# Altium PCB ToucanEyePCB.PcbDoc (part 4 of 5)
Units mil, origin at the board's own origin, x right, y up, seen from the top; angles counter-clockwise.
Board outline 2559.06 x 1181.1 mil, 6 copper layers (L1_Top Layer, L2_GND, L3_Signa1, L4_PWR/Signal2, L5_GND, L6_Bottom Layer), stack 35.685 mil thick; 187 components, 181 nets, 773 pads, 479 vias.
Unrouted connection lines stored in the file: 150.
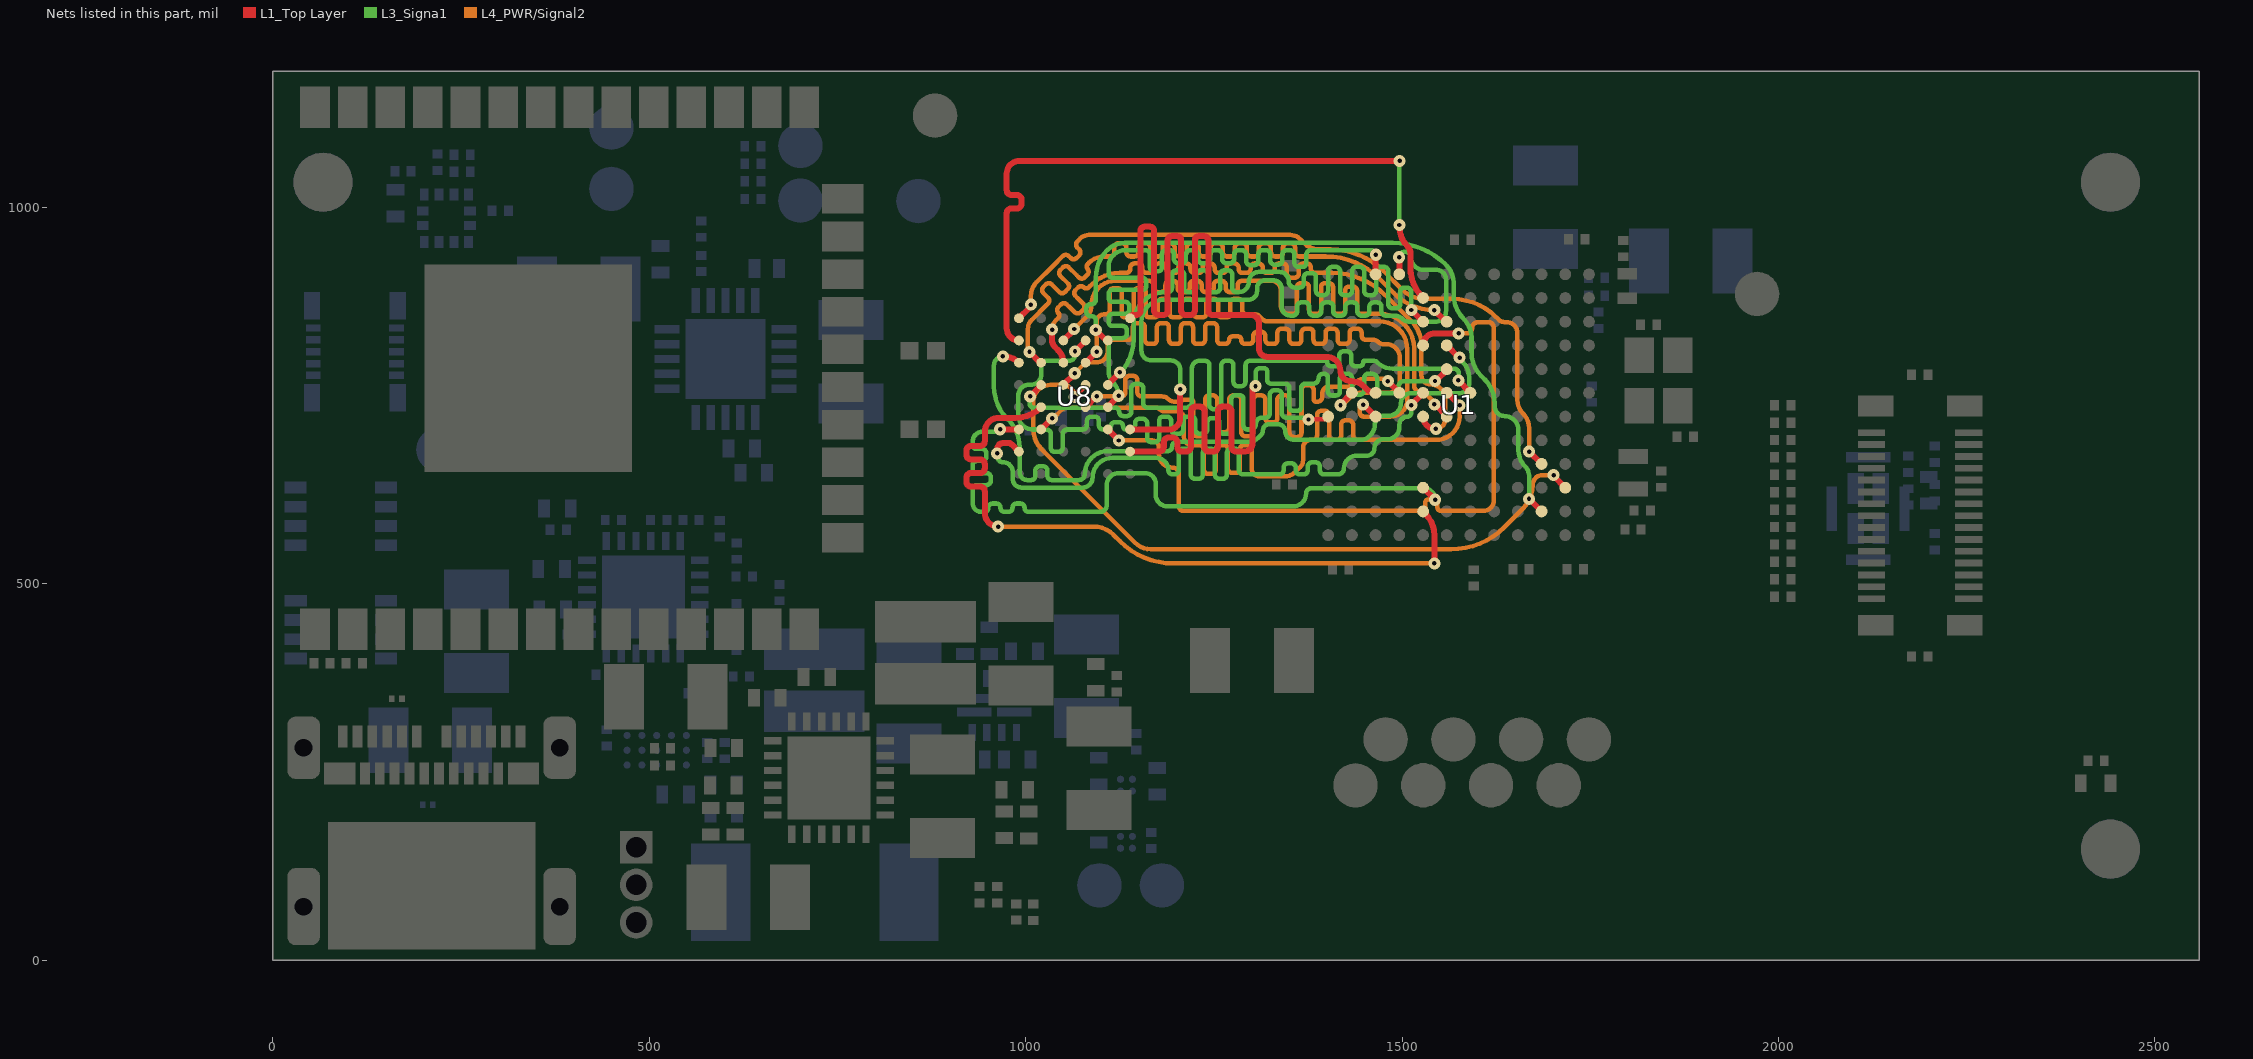
[diagram p8: the nets of this part, all layers, seen from the top]

## Via types
v1: diameter 16, hole 5.91, L5_GND to L6_Bottom Layer, tented both sides, 98 vias
v2: diameter 16, hole 5.91, L1_Top Layer to L2_GND, tented both sides, 93 vias
v3: diameter 16, hole 5.91, L1_Top Layer to L6_Bottom Layer, tented both sides, 72 vias
v4: diameter 16, hole 5.91, L1_Top Layer to L3_Signa1, tented both sides, 60 vias
v5: diameter 16, hole 5.91, L1_Top Layer to L4_PWR/Signal2, tented both sides, 48 vias
v6: diameter 16, hole 5.91, L4_PWR/Signal2 to L6_Bottom Layer, tented both sides, 25 vias
v7: diameter 16, hole 5.91, L3_Signa1 to L6_Bottom Layer, tented both sides, 16 vias
v8: diameter 16, hole 5.91, L2_GND to L6_Bottom Layer, tented both sides, 16 vias
v9: diameter 23.86, hole 7.87, L4_PWR/Signal2 to L6_Bottom Layer, tented both sides, 13 vias
v10: diameter 11.81, hole 11.81, L1_Top Layer to L6_Bottom Layer, 9 vias
v11: diameter 23.86, hole 7.87, L3_Signa1 to L6_Bottom Layer, tented both sides, 7 vias
v12: diameter 23.86, hole 7.87, L1_Top Layer to L3_Signa1, tented both sides, 6 vias
v13: diameter 23.86, hole 7.87, L1_Top Layer to L4_PWR/Signal2, tented both sides, 6 vias
v14: diameter 19.68, hole 7.87, L1_Top Layer to L6_Bottom Layer, 5 vias
v15: diameter 23.86, hole 7.87, L1_Top Layer to L6_Bottom Layer, tented both sides, 4 vias
v16: diameter 16, hole 5.91, L1_Top Layer to L3_Signa1, tented top, 1 vias

## Nets (pads, with @x,y where several pads share a name; then routed paths per layer and width w, separated by ;. In a path a pad name is that pad's centre, name@x,y a point inside that pad or via, vN(x,y) a via of type N, cw(c..) or ccw(c..) an arc to the next point about the centre after c; other vN are vias at no path point) (continued)
PSRAM_A12: U1.F12 U8.G3 | length 982.4
  L1_Top Layer w6: v4(1375.8,718.35) 1398.02,718.35 U1.F12@1401.92,722.25
  L1_Top Layer w8: v4(1065.6,808.95) 1065.6,809.16 U8.G3@1079.73,823.29 U8.G3@1079.94,823.29
  L3_Signa1 w6: v4(1065.6,808.95) 1065.6,803.75 cw(c1058.3,803.75) 1058.3,796.45 1027.6,796.45 ccw(c1027.6,789.95) 1021.1,789.95 1021.1,778.75 cw(c1006.8,778.75) 1006.8,764.45 1004.6,764.45 ccw(c1004.6,750.25) 990.4,750.25 990.4,724.05 ccw(c1009.4,724.05) 1009.4,705.05 1017.4,705.05 1027.8,705.05 cw(c1027.8,699.45) 1033.4,699.45 1033.4,680.94 ccw(c1039,680.94) 1039,675.34 1043.8,675.34 ccw(c1043.8,680.94) 1049.4,680.94 1049.4,699.45 cw(c1055,699.45) 1055,705.05 1065.4,705.05 1075.8,705.05 ccw(c1075.8,710.65) 1081.4,710.65 1081.4,716.57 cw(c1087,716.57) 1087,722.17 1091.8,722.17 cw(c1091.8,716.57) 1097.4,716.57 1097.4,710.65 ccw(c1103,710.65) 1103,705.05 1109.16,705.05 ccw(c1109.16,709.29) 1113.4,709.29 cw(c1119,709.29) 1119,714.89 1123.8,714.89 cw(c1123.8,709.29) 1129.4,709.29 ccw(c1133.64,709.29) 1133.64,705.05 1139.8,705.05 ccw(c1139.8,710.65) 1145.4,710.65 1145.4,713.64 cw(c1151,713.64) 1151,719.24 1155.8,719.24 cw(c1155.8,713.64) 1161.4,713.64 1161.4,705.05 1161.4,693.83 ccw(c1167,693.83) 1167,688.23 1171.8,688.23 ccw(c1171.8,693.83) 1177.4,693.83 1177.4,705.05 1177.4,716.57 cw(c1183,716.57) 1183,722.17 1187.8,722.17 cw(c1187.8,716.57) 1193.4,716.57 1193.4,705.05 ccw(c1199,705.05) 1199,699.45 1203.8,699.45 ccw(c1203.8,705.05) 1209.4,705.05 1209.4,716.65 cw(c1215,716.65) 1215,722.25 1219.8,722.25 cw(c1219.8,716.65) 1225.4,716.65 1225.4,705.05 ccw(c1231,705.05) 1231,699.45 1235.8,699.45 ccw(c1235.8,705.05) 1241.4,705.05 1241.4,714.58 cw(c1247,714.58) 1247,720.18 1251.8,720.18 cw(c1251.8,714.58) 1257.4,714.58 1257.4,705.05 ccw(c1263,705.05) 1263,699.45 1267.8,699.45 ccw(c1267.8,705.05) 1273.4,705.05 1273.4,745.07 cw(c1279,745.07) 1279,750.67 1283.8,750.67 cw(c1283.8,745.07) 1289.4,745.07 1289.4,710.05 ccw(c1294.4,710.05) 1294.4,705.05 1298.3,705.05 ccw(c1298.3,712.75) 1306,712.75 cw(c1314.1,712.75) 1314.1,720.85 1316.5,720.85 1318.9,720.85 ccw(c1318.9,726.45) 1324.5,726.45 1324.5,751.45 cw(c1330.1,751.45) 1330.1,757.05 1334.9,757.05 cw(c1334.9,751.45) 1340.5,751.45 1340.5,726.45 ccw(c1346.1,726.45) 1346.1,720.85 1354.3,720.85 1369.76,720.85 cw(c1369.76,712.31) v4(1375.8,718.35)
PSRAM_A13: U1.F7 U8.G4 | length 969.4
  L1_Top Layer w8: U8.G4@1050.2,823.29 1064.5,837.59 v5(1064.5,838.55) ; v5(1543.1,738.35) 1543.79,738.35 1559.4,722.75 U1.F7@1559.4,722.25
  L4_PWR/Signal2 w6: v5(1064.5,838.55) 1081.07,855.11 ccw(c1065.53,870.65) 1087.5,870.65 cw(c1119.4,870.65) 1119.4,902.55 1145.8,902.55 1153.8,902.55 1164.2,902.55 cw(c1164.2,896.95) 1169.8,896.95 1169.8,893.21 ccw(c1175.4,893.21) 1175.4,887.61 1180.2,887.61 ccw(c1180.2,893.21) 1185.8,893.21 1185.8,896.95 cw(c1191.4,896.95) 1191.4,902.55 1196.2,902.55 cw(c1196.2,896.95) 1201.8,896.95 1201.8,893.21 ccw(c1207.4,893.21) 1207.4,887.61 1212.2,887.61 ccw(c1212.2,893.21) 1217.8,893.21 1217.8,896.95 cw(c1223.4,896.95) 1223.4,902.55 1228.2,902.55 cw(c1228.2,896.95) 1233.8,896.95 1233.8,893.21 ccw(c1239.4,893.21) 1239.4,887.61 1244.2,887.61 ccw(c1244.2,893.21) 1249.8,893.21 1249.8,896.95 cw(c1255.4,896.95) 1255.4,902.55 1260.2,902.55 cw(c1260.2,896.95) 1265.8,896.95 1265.8,893.21 ccw(c1271.4,893.21) 1271.4,887.61 1276.2,887.61 ccw(c1276.2,893.21) 1281.8,893.21 1281.8,896.95 cw(c1287.4,896.95) 1287.4,902.55 1319.4,902.55 1326.5,902.55 cw(c1326.5,889.95) 1339.1,889.95 1339.1,869.55 ccw(c1350.1,869.55) 1350.1,858.55 1352.4,858.55 1354.8,858.55 ccw(c1354.8,864.15) 1360.4,864.15 1360.4,893.92 cw(c1366,893.92) 1366,899.52 1370.8,899.52 cw(c1370.8,893.92) 1376.4,893.92 1376.4,864.15 ccw(c1382,864.15) 1382,858.55 1386.8,858.55 ccw(c1386.8,864.15) 1392.4,864.15 1392.4,893.92 cw(c1398,893.92) 1398,899.52 1402.8,899.52 cw(c1402.8,893.92) 1408.4,893.92 1408.4,864.15 ccw(c1414,864.15) 1414,858.55 1418.8,858.55 ccw(c1418.8,864.15) 1424.4,864.15 1424.4,889.23 cw(c1430,889.23) 1430,894.83 1434.8,894.83 cw(c1434.8,889.23) 1440.4,889.23 1440.4,864.15 ccw(c1446,864.15) 1446,858.55 1454.9,858.55 1470.3,858.55 cw(c1470.3,812.85) 1516,812.85 1516,763 ccw(c1526.5,764.45) 1526.5,753.85 cw(c1526.5,744.92) 1532.81,751.24 1541.26,742.79 cw(c1536.82,738.35) v5(1543.1,738.35)
PSRAM_A14: U1.F10 U8.F3 | length 979.4
  L1_Top Layer w8: U8.F3@1079.73,793.76 1079.89,793.76 1094.4,808.27 v5(1094.4,808.35) ; v5(1448.3,737.95) 1449.2,737.95 U1.F10@1464.91,722.25
  L4_PWR/Signal2 w6: v5@1091.4,808.35 ccw(c1091.4,811.25) 1093.07,808.88 ccw(c1091.4,811.25) 1094.3,811.25 1094.3,848.45 cw(c1103.7,848.45) 1103.7,857.85 1106.1,857.85 ccw(c1106.1,863.45) 1111.7,863.45 1111.7,887.19 cw(c1117.3,887.19) 1117.3,892.79 1122.1,892.79 cw(c1122.1,887.19) 1127.7,887.19 1127.7,857.85 ccw(c1131.15,857.85) 1131.15,854.4 1140.25,854.4 ccw(c1140.25,857.85) 1143.7,857.85 1143.7,887.19 cw(c1149.3,887.19) 1149.3,892.79 1154.1,892.79 cw(c1154.1,887.19) 1159.7,887.19 1159.7,857.85 ccw(c1163.15,857.85) 1163.15,854.4 1172.25,854.4 ccw(c1172.25,857.85) 1175.7,857.85 1175.7,872.93 cw(c1181.3,872.93) 1181.3,878.53 1186.1,878.53 cw(c1186.1,872.93) 1191.7,872.93 1191.7,857.85 ccw(c1195.15,857.85) 1195.15,854.4 1204.25,854.4 ccw(c1204.25,857.85) 1207.7,857.85 1207.7,872.93 cw(c1213.3,872.93) 1213.3,878.53 1218.1,878.53 cw(c1218.1,872.93) 1223.7,872.93 1223.7,857.85 ccw(c1227.15,857.85) 1227.15,854.4 1236.25,854.4 ccw(c1236.25,857.85) 1239.7,857.85 1239.7,872.93 cw(c1245.3,872.93) 1245.3,878.53 1250.1,878.53 cw(c1250.1,872.93) 1255.7,872.93 1255.7,857.85 ccw(c1259.15,857.85) 1259.15,854.4 1268.25,854.4 ccw(c1268.25,857.85) 1271.7,857.85 1271.7,872.93 cw(c1277.3,872.93) 1277.3,878.53 1282.1,878.53 cw(c1282.1,872.93) 1287.7,872.93 1287.7,863.45 ccw(c1293.3,863.45) 1293.3,857.85 1302.1,857.85 1305.4,857.85 cw(c1305.4,851.57) 1309.83,856.02 1314.16,851.69 ccw(c1321.5,859.03) 1321.5,848.65 1470.3,848.65 cw(c1470.3,811.95) 1507,811.95 1507,744.65 cw(c1484.6,744.65) 1484.6,722.25 1449.2,722.25 cw(c1449.2,727.45) 1444,727.45 1444,733.65 cw(c1448.3,733.65) v5(1448.3,737.95) v5@1448.3,739.35
PSRAM_A15: U1.F8 U8.F4 | length 969.3
  L1_Top Layer w8: v5(1035.3,837.75) 1035.1,837.55 1035.1,824.15 ccw(c1048.62,824.15) 1039.06,814.59 1043.35,810.3 cw(c1026.81,793.76) U8.F4@1050.2,793.76 ; U1.F8@1527.9,722.25 ccw(c1544.1,722.25) 1544.1,706.05 v5(1544.9,706.05)
  L4_PWR/Signal2 w6: v5(1035.3,837.75) cw(c1053.41,837.75) 1040.6,850.55 1041.05,851 1043.6,853.55 ccw(c1040.48,856.66) 1043.6,859.77 cw(c1047.56,863.73) 1043.6,867.69 1046.99,871.08 cw(c1050.95,867.12) 1054.91,871.08 1058.02,867.97 1065.13,860.86 ccw(c1069.09,864.82) 1073.05,860.86 1076.45,864.25 ccw(c1072.49,868.21) 1076.45,872.17 1069.33,879.28 1066.22,882.39 cw(c1070.18,886.35) 1066.22,890.31 1069.62,893.71 cw(c1073.58,889.75) 1077.54,893.71 ccw(c1080.65,896.82) 1083.76,893.71 1086.1,896.05 1087.59,897.53 cw(c1124.8,860.32) 1124.8,912.95 1131,912.95 1133.4,912.95 ccw(c1133.4,918.55) 1139,918.55 1139,919.97 cw(c1144.6,919.97) 1144.6,925.57 1149.4,925.57 cw(c1149.4,919.97) 1155,919.97 1155,918.55 ccw(c1160.6,918.55) 1160.6,912.95 1165.4,912.95 ccw(c1165.4,918.55) 1171,918.55 1171,919.97 cw(c1176.6,919.97) 1176.6,925.57 1181.4,925.57 cw(c1181.4,919.97) 1187,919.97 1187,918.55 ccw(c1192.6,918.55) 1192.6,912.95 1197.4,912.95 ccw(c1197.4,918.55) 1203,918.55 1203,919.97 cw(c1208.6,919.97) 1208.6,925.57 1213.4,925.57 cw(c1213.4,919.97) 1219,919.97 1219,918.55 ccw(c1224.6,918.55) 1224.6,912.95 1229.4,912.95 ccw(c1229.4,918.55) 1235,918.55 1235,919.97 cw(c1240.6,919.97) 1240.6,925.57 1245.4,925.57 cw(c1245.4,919.97) 1251,919.97 1251,918.55 ccw(c1256.6,918.55) 1256.6,912.95 1261.4,912.95 ccw(c1261.4,918.55) 1267,918.55 1267,919.97 cw(c1272.6,919.97) 1272.6,925.57 1277.4,925.57 cw(c1277.4,919.97) 1283,919.97 1283,918.55 ccw(c1288.6,918.55) 1288.6,912.95 1293.4,912.95 ccw(c1293.4,918.55) 1299,918.55 1299,919.97 cw(c1304.6,919.97) 1304.6,925.57 1309.4,925.57 cw(c1309.4,919.97) 1315,919.97 1315,918.55 ccw(c1320.6,918.55) 1320.6,912.95 1325.4,912.95 ccw(c1325.4,918.55) 1331,918.55 1331,919.97 cw(c1336.6,919.97) 1336.6,925.57 1341.4,925.57 cw(c1341.4,919.97) 1347,919.97 1347,912.95 1347,912.28 ccw(c1352.6,912.28) 1352.6,906.68 1357.4,906.68 ccw(c1357.4,912.28) 1363,912.28 1363,912.95 1363,919.97 cw(c1368.6,919.97) 1368.6,925.57 1373.4,925.57 cw(c1373.4,919.97) 1379,919.97 1379,918.55 ccw(c1384.6,918.55) 1384.6,912.95 1395,912.95 1398,912.95 1406.88,912.95 cw(c1406.88,812.95) 1477.59,883.66 1512.84,848.41 cw(c1481.55,817.12) 1525.8,817.12 1525.8,776.85 ccw(c1537.7,776.85) 1537.7,764.95 cw(c1537.7,745.15) 1557.5,745.15 1557.5,718.65 cw(c1544.9,718.65) v5(1544.9,706.05)
PSRAM_A16: U1.G11 U8.E4 | length 974.9
  L1_Top Layer w8: U8.E4@1050.2,764.65 U8.E4@1050.2,764.23 1065.3,779.33 v5(1065.3,779.75) ; v5(1418.3,737.25) 1418.3,738.63 U1.G11@1433.41,753.74
  L4_PWR/Signal2 w6: v5(1065.3,779.75) 1075.67,790.12 cw(c1085.4,780.39) 1085.4,794.15 1093.9,794.15 ccw(c1093.9,809.55) 1109.3,809.55 1109.3,818.65 cw(c1114.9,818.65) 1114.9,824.25 1134.4,824.25 1136.8,824.25 ccw(c1136.8,829.85) 1142.4,829.85 1142.4,840.85 cw(c1148,840.85) 1148,846.45 1152.8,846.45 cw(c1152.8,840.85) 1158.4,840.85 1158.4,824.25 ccw(c1164,824.25) 1164,818.65 1168.8,818.65 ccw(c1168.8,824.25) 1174.4,824.25 1174.4,840.85 cw(c1180,840.85) 1180,846.45 1184.8,846.45 cw(c1184.8,840.85) 1190.4,840.85 1190.4,824.25 ccw(c1196,824.25) 1196,818.65 1200.8,818.65 ccw(c1200.8,824.25) 1206.4,824.25 1206.4,840.85 cw(c1212,840.85) 1212,846.45 1216.8,846.45 cw(c1216.8,840.85) 1222.4,840.85 1222.4,824.25 ccw(c1228,824.25) 1228,818.65 1232.8,818.65 ccw(c1232.8,824.25) 1238.4,824.25 1238.4,840.85 cw(c1244,840.85) 1244,846.45 1248.8,846.45 cw(c1248.8,840.85) 1254.4,840.85 1254.4,824.25 ccw(c1260,824.25) 1260,818.65 1264.8,818.65 ccw(c1264.8,824.25) 1270.4,824.25 cw(c1274.93,824.25) 1274.93,828.78 1281.87,828.78 cw(c1281.87,824.25) 1286.4,824.25 ccw(c1292,824.25) 1292,818.65 1296.8,818.65 ccw(c1296.8,824.25) 1302.4,824.25 1302.4,829.24 cw(c1308,829.24) 1308,834.84 1312.8,834.84 cw(c1312.8,829.24) 1318.4,829.24 1318.4,824.25 ccw(c1324,824.25) 1324,818.65 1328.8,818.65 ccw(c1328.8,824.25) 1334.4,824.25 1334.4,833.35 cw(c1340,833.35) 1340,838.95 1344.8,838.95 cw(c1344.8,833.35) 1350.4,833.35 1350.4,824.25 ccw(c1356,824.25) 1356,818.65 1360.8,818.65 ccw(c1360.8,824.25) 1366.4,824.25 1366.4,833.35 cw(c1372,833.35) 1372,838.95 1376.8,838.95 cw(c1376.8,833.35) 1382.4,833.35 1382.4,824.25 ccw(c1388,824.25) 1388,818.65 1392.8,818.65 ccw(c1392.8,824.25) 1398.4,824.25 1398.4,833.35 cw(c1404,833.35) 1404,838.95 1408.8,838.95 cw(c1408.8,833.35) 1414.4,833.35 1414.4,824.25 ccw(c1420,824.25) 1420,818.65 1424.8,818.65 ccw(c1424.8,824.25) 1430.4,824.25 1430.4,833.35 cw(c1436,833.35) 1436,838.95 1440.8,838.95 cw(c1440.8,833.35) 1446.4,833.35 1446.4,829.85 ccw(c1452,829.85) 1452,824.25 1461,824.25 1461.64,824.25 cw(c1461.64,814.69) 1468.4,821.45 1468.7,821.15 ccw(c1475.71,828.17) 1475.71,818.25 1479.3,818.25 cw(c1479.3,800.45) 1497.1,800.45 1497.1,770.25 cw(c1480.4,770.25) 1480.4,753.55 1443.3,753.55 ccw(c1443.3,739.79) 1433.57,749.52 v5@1418.3,734.25
  L4_PWR/Signal2 w8: v5@1418.3,734.25 v5(1418.3,737.25)
PSRAM_A17: U1.G9 U8.D3 | length 973.4
  L1_Top Layer w8: U8.D3@1079.73,734.7 1093.97,748.95 v5(1094.8,748.95) ; v5(1481.3,769.25) 1496.4,754.15 U1.G9@1496.4,753.74
  L4_PWR/Signal2 w6: v5@1094.8,746.65 v5(1094.8,748.95) 1124.4,748.95 1126.8,748.95 ccw(c1126.8,754.55) 1132.4,754.55 1132.4,770.74 cw(c1138,770.74) 1138,776.34 1142.8,776.34 cw(c1142.8,770.74) 1148.4,770.74 1148.4,754.55 ccw(c1154,754.55) 1154,748.95 1164.4,748.95 1167.6,748.95 1181.11,748.95 cw(c1181.11,736.66) 1189.8,745.35 ccw(c1198.49,754.04) 1198.49,741.75 1206.49,741.75 cw(c1209.62,741.75) 1209.62,744.88 1219.36,744.88 cw(c1219.36,741.75) 1222.49,741.75 1222.49,701.57 ccw(c1228.09,701.57) 1228.09,695.97 1232.89,695.97 ccw(c1232.89,701.57) 1238.49,701.57 1238.49,741.75 1238.49,744.71 cw(c1244.09,744.71) 1244.09,750.31 1248.89,750.31 cw(c1248.89,744.71) 1254.49,744.71 1254.49,741.75 1254.49,707.17 ccw(c1260.09,707.17) 1260.09,701.57 1264.89,701.57 ccw(c1264.89,707.17) 1270.49,707.17 1270.49,741.75 1270.49,744.71 cw(c1276.09,744.71) 1276.09,750.31 1280.89,750.31 cw(c1280.89,744.71) 1286.49,744.71 1286.49,741.75 1286.49,701.57 ccw(c1292.09,701.57) 1292.09,695.97 1296.89,695.97 ccw(c1296.89,701.57) 1302.49,701.57 1302.49,741.75 1302.49,744.71 cw(c1308.09,744.71) 1308.09,750.31 1312.89,750.31 cw(c1312.89,744.71) 1318.49,744.71 1318.49,741.75 1318.49,719.96 ccw(c1324.09,719.96) 1324.09,714.36 1328.89,714.36 ccw(c1328.89,719.96) 1334.49,719.96 1334.49,741.75 1334.49,744.71 cw(c1340.09,744.71) 1340.09,750.31 1344.89,750.31 cw(c1344.89,744.71) 1350.49,744.71 1350.49,741.75 1350.49,700.64 ccw(c1356.09,700.64) 1356.09,695.04 1360.89,695.04 ccw(c1360.89,700.64) 1366.49,700.64 1366.49,741.75 1366.49,758.13 cw(c1372.09,758.13) 1372.09,763.73 1376.89,763.73 cw(c1376.89,758.13) 1382.49,758.13 1382.49,745.86 ccw(c1386.6,745.86) 1386.6,741.75 1386.7,741.75 ccw(c1386.7,749.25) 1394.2,749.25 1394.2,753.52 cw(c1402.43,753.52) 1402.43,761.75 1424.26,761.75 ccw(c1424.26,781.89) 1438.5,767.65 cw(c1450.09,756.06) 1450.09,772.45 1473.57,772.45 cw(c1473.57,761.52) v5(1481.3,769.25)
PSRAM_A18: U1.G10 U8.H1 | length 1023.5
  L1_Top Layer w8: U8.H1@1139.65,851.95 cw(c1139.65,852.81) U8.H1@1138.78,852.81 cw(c1143.32,852.81) 1143.32,857.35 1143.7,857.35 1147.3,857.35 ccw(c1147.3,862.75) 1152.7,862.75 1152.7,968.99 cw(c1158.1,968.99) 1158.1,974.39 1165.3,974.39 cw(c1165.3,968.99) 1170.7,968.99 1170.7,862.75 ccw(c1176.1,862.75) 1176.1,857.35 1183.3,857.35 ccw(c1183.3,862.75) 1188.7,862.75 1188.7,956.38 cw(c1194.1,956.38) 1194.1,961.78 1201.3,961.78 cw(c1201.3,956.38) 1206.7,956.38 1206.7,862.75 ccw(c1212.1,862.75) 1212.1,857.35 1219.3,857.35 ccw(c1219.3,862.75) 1224.7,862.75 1224.7,956.38 cw(c1230.1,956.38) 1230.1,961.78 1237.3,961.78 cw(c1237.3,956.38) 1242.7,956.38 1242.7,862.75 ccw(c1248.1,862.75) 1248.1,857.35 1260.7,857.35 1279.6,857.35 1299,857.35 cw(c1299,846.25) 1310.1,846.25 1310.1,812.45 ccw(c1320.9,812.45) 1320.9,801.65 1399.8,801.65 cw(c1399.8,783.35) 1418.1,783.35 ccw(c1432.1,783.35) 1432.1,769.35 cw(c1432.1,744.48) 1449.68,762.07 1453.13,758.62 ccw(c1464.91,770.4) U1.G10@1464.91,753.74
PSRAM_A19: U1.B3 U8.G2 | length 983
  L1_Top Layer w6: U8.G2@1109,821.18 U8.G2@1109.26,821.18 ; U8.G2@1109.26,823.29 U8.G2@1109.54,823.29
  L1_Top Layer w8: v4(1093.2,837.25) 1107.16,823.29 U8.G2@1109.26,823.29 ; v4(1668.7,612.85) 1685.29,596.26 U1.B3@1685.38,596.26 U1.B3@1685.89,596.26
  L3_Signa1 w6: v4(1093.2,837.25) 1093.2,847.55 1093.2,849.95 ccw(c1087.6,849.95) 1087.6,855.55 1086.27,855.55 cw(c1086.27,861.15) 1080.67,861.15 1080.67,865.95 cw(c1086.27,865.95) 1086.27,871.55 1087.6,871.55 ccw(c1087.6,877.15) 1093.2,877.15 1093.2,885.25 1093.2,906.55 cw(c1145.1,906.55) 1108.4,943.25 cw(c1131.82,919.83) 1131.82,952.95 1487.68,952.95 cw(c1487.68,852.95) 1558.39,923.66 1559.19,922.86 cw(c1536.95,900.62) 1568.4,900.62 1568.4,885.23 ccw(c1616.88,885.23) 1582.6,850.95 cw(c1559.18,827.53) 1592.3,827.53 1592.3,807.43 ccw(c1636.68,807.43) 1605.3,776.05 1609.55,771.8 cw(c1576.61,738.85) 1623.2,738.85 1623.2,735.95 ccw(c1636.3,735.95) 1636.3,722.85 cw(c1636.3,704.55) 1654.6,704.55 1654.6,677.86 ccw(c1686.01,677.86) 1663.8,655.65 cw(c1651.97,643.82) 1668.7,643.82 v4(1668.7,612.85)
PSRAM_A20: U1.D3 U8.H6 | length 969.6
  L1_Top Layer w6: U8.H6@991.14,850.7 U8.H6@991.2,850.76
  L1_Top Layer w8: U8.H6@991.14,852.81 1005.46,867.13 ccw(c1001.74,870.85) v5(1007,870.85) ; v5(1668.9,675.55) 1669.08,675.55 U1.D3@1685.38,659.25
  L4_PWR/Signal2 w6: v5(1007,870.85) 1007,882.55 cw(c1032.35,882.55) 1014.42,900.47 1036.65,922.7 1049.37,935.42 cw(c1053.33,931.46) 1057.29,935.42 1059.83,932.88 ccw(c1063.79,936.84) 1067.75,932.88 1071.14,936.27 ccw(c1067.18,940.23) 1071.14,944.19 1068.6,946.73 cw(c1072.56,950.69) 1068.6,954.65 1070.3,956.35 1072.9,958.95 cw(c1083.76,948.09) 1083.76,963.45 1351.5,963.45 cw(c1351.5,944.74) 1364.73,957.97 1370.5,952.2 ccw(c1389.81,971.51) 1389.81,944.2 1405.43,944.2 cw(c1405.43,844.32) 1476.06,914.94 1500.5,890.5 ccw(c1529.71,919.71) 1529.71,878.4 1567.14,878.4 cw(c1567.14,796.54) 1625.02,854.42 1628.73,850.72 ccw(c1635.9,857.89) 1635.9,847.75 1638.7,847.75 cw(c1638.7,833.15) 1653.3,833.15 1653.3,744.3 ccw(c1679.25,744.3) 1660.9,725.95 cw(c1641.59,706.64) 1668.9,706.64 v5(1668.9,675.55)
PSRAM_A21: U1.C2 U8.E3 | length 968.5
  L1_Top Layer w8: v5@1066.55,751.05 U8.E3@1079.73,764.23 ; v5(1701.4,644.45) 1701.4,643.23 U1.C2@1716.88,627.76
  L4_PWR/Signal2 w6: v5(1065,748.35) ccw(c1049,748.35) 1049,764.35 1032.7,764.35 ccw(c1032.7,741.85) 1010.2,741.85 1010.2,705.25 ccw(c1047.38,705.25) 1021.09,678.96 1145.33,554.72 ccw(c1166.51,575.91) 1166.51,545.95 1565.18,545.95 ccw(c1565.18,645.95) 1635.89,575.24 1660.38,599.73 ccw(c1628.45,631.65) 1673.6,631.65 cw(c1686.4,631.65) 1686.4,644.45 v5(1701.4,644.45) ccw(c1699.8,644.45) v5@1699.8,646.05
PSRAM_D0: U1.G8 U8.B6 | length 981.3
  L1_Top Layer w8: v4(962.3,673.45) 962.3,679.05 cw(c970.4,679.05) 970.4,687.15 976.9,687.15 cw(c976.9,680.52) 981.58,685.22 U8.B6@991.14,675.65 ; v4(1512.5,737.55) 1512.5,737.85 1527.9,753.25 U1.G8@1527.9,753.74 cw(c1527.9,755.17) U1.G8@1526.89,754.16
  L3_Signa1 w6: v4@962.7,668.75 ccw(c969.7,668.75) 969.7,661.75 cw(c969.7,648.35) 983.1,648.35 983.1,639.25 ccw(c994.4,639.25) 994.4,627.95 1075.6,627.95 ccw(c1075.6,641.35) 1089,641.35 cw(c1114.9,641.35) 1114.9,667.25 1173.6,667.25 cw(c1173.6,651.15) 1189.7,651.15 ccw(c1195.4,651.15) 1195.4,645.45 1197.8,645.45 ccw(c1197.8,651.05) 1203.4,651.05 1203.4,673.88 cw(c1209,673.88) 1209,679.48 1213.8,679.48 cw(c1213.8,673.88) 1219.4,673.88 1219.4,645.45 1219.4,645.22 ccw(c1225,645.22) 1225,639.62 1229.8,639.62 ccw(c1229.8,645.22) 1235.4,645.22 1235.4,645.45 1235.4,673.88 cw(c1241,673.88) 1241,679.48 1245.8,679.48 cw(c1245.8,673.88) 1251.4,673.88 1251.4,645.45 1251.4,645.22 ccw(c1257,645.22) 1257,639.62 1261.8,639.62 ccw(c1261.8,645.22) 1267.4,645.22 1267.4,645.45 1267.4,673.88 cw(c1273,673.88) 1273,679.48 1277.8,679.48 cw(c1277.8,673.88) 1283.4,673.88 1283.4,651.05 ccw(c1289,651.05) 1289,645.45 1295.1,645.45 1330.4,645.45 1337.2,645.45 ccw(c1337.2,651.05) 1342.8,651.05 1342.8,654.45 cw(c1348.4,654.45) 1348.4,660.05 1353.2,660.05 cw(c1353.2,654.45) 1358.8,654.45 1358.8,651.05 ccw(c1364.4,651.05) 1364.4,645.45 1369.2,645.45 ccw(c1369.2,651.05) 1374.8,651.05 1374.8,655.85 cw(c1380.4,655.85) 1380.4,661.45 1385.2,661.45 cw(c1385.2,655.85) 1390.8,655.85 1390.8,651.05 ccw(c1396.4,651.05) 1396.4,645.45 1406.8,645.45 1414.8,645.45 ; 1411.6,645.45 1414.8,645.45 ; v4(1512.5,737.55) 1512.5,727.95 cw(c1506.4,727.95) 1506.4,721.85 ccw(c1506.4,712.05) 1496.6,712.05 1496.6,708.15 cw(c1480.5,708.15) 1480.5,692.05 1475.1,692.05 ccw(c1475.1,680.35) 1463.4,680.35 cw(c1453.2,680.35) 1453.2,670.15 1439.5,670.15 ccw(c1439.5,653.55) 1422.9,653.55 cw(c1414.8,653.55) 1414.8,645.45
PSRAM_D1: U1.G7 U8.C5 | length 968.6
  L1_Top Layer w8: U8.C5@1020.67,705.18 1032.8,717.3 ccw(c1029.65,720.45) v5@1034.1,720.45 ; U1.G7@1559.4,754.05 U1.G7@1559.4,753.74 1559.91,753.74 v5(1576.5,737.15)
  L4_PWR/Signal2 w6: v5(1035.3,719.95) 1036.2,719.95 v5@1036.7,720.45 ; v5@1037.7,721.45 1037.9,721.25 1047.65,731 cw(c1055.5,723.14) 1055.5,734.25 1172.24,734.25 cw(c1172.24,724.69) 1179,731.45 ccw(c1184.55,737) 1184.55,729.15 1201.1,729.15 cw(c1201.1,719.95) 1210.3,719.95 1210.3,694.65 ccw(c1220.6,694.65) 1220.6,684.35 1229.4,684.35 1231.1,684.35 cw(c1231.1,678.75) 1236.7,678.75 1236.7,651.7 ccw(c1242.3,651.7) 1242.3,646.1 1247.1,646.1 ccw(c1247.1,651.7) 1252.7,651.7 1252.7,678.75 cw(c1258.3,678.75) 1258.3,684.35 1263.1,684.35 cw(c1263.1,678.75) 1268.7,678.75 1268.7,652.98 ccw(c1274.3,652.98) 1274.3,647.38 1279.1,647.38 ccw(c1279.1,652.98) 1284.7,652.98 1284.7,678.75 cw(c1290.3,678.75) 1290.3,684.35 1292.7,684.35 cw(c1292.7,676.45) 1300.6,676.45 1300.6,652.25 ccw(c1309.9,652.25) 1309.9,642.95 1344.4,642.95 ccw(c1344.4,662.99) 1358.57,648.82 1364.9,655.15 ccw(c1355.97,664.08) 1368.6,664.08 1368.6,680.75 cw(c1379.1,680.75) 1379.1,691.25 1381.5,691.25 ccw(c1381.5,696.85) 1387.1,696.85 1387.1,724.19 cw(c1392.7,724.19) 1392.7,729.79 1397.5,729.79 cw(c1397.5,724.19) 1403.1,724.19 1403.1,696.85 ccw(c1408.7,696.85) 1408.7,691.25 1413.5,691.25 ccw(c1413.5,696.85) 1419.1,696.85 1419.1,711.49 cw(c1424.7,711.49) 1424.7,717.09 1429.5,717.09 cw(c1429.5,711.49) 1435.1,711.49 1435.1,696.85 ccw(c1440.7,696.85) 1440.7,691.25 1444.3,691.25 1545.5,691.25 ccw(c1545.5,722.25) 1576.5,722.25 v5(1576.5,737.15)
PSRAM_D2: U1.C8 U8.C6 | length 988.1
  L1_Top Layer w8: v4(966.2,705.35) 991.14,705.35 U8.C6@991.14,705.18 ; U1.C8@1527.9,628.35 U1.C8@1527.9,627.76 ; U1.C8@1528.84,626.71 cw(c1529.89,627.76) U1.C8@1528.57,627.08 ; v4(1543.9,611.75) U1.C8@1528.57,627.08 ; U1.C8@1527.9,627.76 1528.41,627.76 ccw(c1529.89,627.76) U1.C8@1528.57,627.08 ; U1.C8@1527.9,627.76 U1.C8@1528.57,627.08
  L3_Signa1 w6: v4@963.8,702.95 cw(c966.2,702.95) v4(966.2,705.35) cw(c963,705.35) 963,702.15 942.8,702.15 ccw(c942.8,688.95) 929.6,688.95 929.6,684.15 ccw(c934.5,684.15) 934.5,679.25 942.16,679.25 cw(c942.16,673.65) 947.76,673.65 947.76,668.85 cw(c942.16,668.85) 942.16,663.25 935.2,663.25 ccw(c935.2,657.65) 929.6,657.65 929.6,652.85 ccw(c935.2,652.85) 935.2,647.25 948.06,647.25 cw(c948.06,641.65) 953.66,641.65 953.66,636.85 cw(c948.06,636.85) 948.06,631.25 935.2,631.25 ccw(c935.2,625.65) 929.6,625.65 929.6,615.25 929.6,607.25 929.6,607.15 ccw(c941.2,607.15) 941.2,595.55 942.6,595.55 945,595.55 ccw(c945,601.15) 950.6,601.15 cw(c956.2,601.15) 956.2,606.75 961,606.75 cw(c961,601.15) 966.6,601.15 ccw(c972.2,601.15) 972.2,595.55 977,595.55 ccw(c977,601.15) 982.6,601.15 cw(c988.2,601.15) 988.2,606.75 993,606.75 cw(c993,601.15) 998.6,601.15 ccw(c1004.2,601.15) 1004.2,595.55 1047.6,595.55 1098.6,595.55 ccw(c1098.6,604.85) 1107.9,604.85 1107.9,631.45 cw(c1123.6,631.45) 1123.6,647.15 1158.6,647.15 cw(c1158.6,632.85) 1172.9,632.85 1172.9,618.35 ccw(c1188.1,618.35) 1188.1,603.15 1355.9,603.15 ccw(c1355.9,619.85) 1372.6,619.85 cw(c1379.8,619.85) 1379.8,627.05 1528.6,627.05 cw(c1528.6,611.75) v4(1543.9,611.75)
PSRAM_D3: U1.B8 U8.D5 | length 973.3
  L1_Top Layer w8: v5(963.6,576.15) cw(c963.6,593.95) 945.8,593.95 945.8,620.25 945.8,622.95 ccw(c939.5,622.95) 939.5,629.25 927.6,629.25 cw(c927.6,635.55) 921.3,635.55 921.3,640.95 cw(c927.6,640.95) 927.6,647.25 939.5,647.25 ccw(c939.5,653.55) 945.8,653.55 945.8,658.95 ccw(c939.5,658.95) 939.5,665.25 927.6,665.25 cw(c927.6,671.55) 921.3,671.55 921.3,676.95 cw(c927.6,676.95) 927.6,683.25 939.5,683.25 ccw(c939.5,689.55) 945.8,689.55 945.8,699.95 945.8,701.95 cw(c964.4,701.95) 964.4,720.55 986.5,720.55 ccw(c986.5,768.88) U8.D5@1020.67,734.7 ; U1.B8@1527.9,596.26 1531.18,592.98 cw(c1502.65,564.45) 1543,564.45 1543,527.25 v5(1543.1,527.15)
  L4_PWR/Signal2 w6: v5(963.6,576.15) 1090.23,576.15 cw(c1090.23,538.79) 1116.64,565.21 1125.41,556.44 ccw(c1196.12,627.15) 1196.12,527.15 v5(1543.1,527.15) 1543.1,530.15 1543.3,530.35 v5@1542.7,530.95
PSRAM_D4: U1.G6 U8.E5 | length 983.1
  L1_Top Layer w8: v4(1006,749.05) U8.E5@1020.67,764.23 ; v4(1574.9,770.35) U1.G6@1590.89,753.74
  L3_Signa1 w6: v4(1006,749.05) ccw(c1006,748.25) 1005.2,748.25 1005.2,739.25 ccw(c1010.3,739.25) 1010.3,734.15 1100.3,734.15 1108.3,734.15 1118.7,734.15 cw(c1118.7,728.55) 1124.3,728.55 ccw(c1129.9,728.55) 1129.9,722.95 1134.7,722.95 ccw(c1134.7,728.55) 1140.3,728.55 1140.3,734.15 1140.3,759.9 cw(c1145.9,759.9) 1145.9,765.5 1150.7,765.5 cw(c1150.7,759.9) 1156.3,759.9 1156.3,739.75 ccw(c1161.9,739.75) 1161.9,734.15 1167.1,734.15 1213.1,734.15 ccw(c1213.1,741.95) 1220.9,741.95 1220.9,786.35 cw(c1230.8,786.35) 1230.8,796.25 1235.1,796.25 1238.5,796.25 cw(c1238.5,790.65) 1244.1,790.65 1244.1,737.77 ccw(c1249.7,737.77) 1249.7,732.17 1254.5,732.17 ccw(c1254.5,737.77) 1260.1,737.77 1260.1,790.65 cw(c1265.7,790.65) 1265.7,796.25 1270.5,796.25 cw(c1270.5,790.65) 1276.1,790.65 1276.1,768.25 ccw(c1281.7,768.25) 1281.7,762.65 1286.5,762.65 ccw(c1286.5,768.25) 1292.1,768.25 1292.1,790.65 cw(c1297.7,790.65) 1297.7,796.25 1308.1,796.25 1324.1,796.25 1332.1,796.25 1376.6,796.25 1384.6,796.25 1398.98,796.25 cw(c1398.98,794.63) 1400.6,794.63 ccw(c1406.2,794.63) 1406.2,789.03 1411,789.03 ccw(c1411,794.63) 1416.6,794.63 1416.6,796.25 1416.6,803.25 cw(c1422.2,803.25) 1422.2,808.85 1427,808.85 cw(c1427,803.25) 1432.6,803.25 1432.6,796.25 1432.6,794.63 ccw(c1438.2,794.63) 1438.2,789.03 1443,789.03 ccw(c1443,794.63) 1448.6,794.63 cw(c1450.22,794.63) 1450.22,796.25 1453.4,796.25 1462.05,796.25 cw(c1462.05,788.4) 1467.6,793.95 ccw(c1487.4,813.75) 1487.4,785.75 1569.5,785.75 cw(c1569.5,779.95) 1575.3,779.95 1575.3,770.35 v4(1574.9,770.35)
PSRAM_D5: U1.K7 U8.F5 | length 972.2
  L1_Top Layer w8: v5(1005.2,808.25) 1018.99,794.45 ccw(c1020.67,796.13) U8.F5@1020.67,793.76 U8.F5@1019.69,793.76 ; v5(1543,863.65) 1557.73,848.92 ccw(c1559.4,850.59) U1.K7@1559.4,848.23
  L4_PWR/Signal2 w6: v5(1005.2,808.25) cw(c1010.51,813.56) 1003,813.56 1003,838.45 cw(c1020.14,838.45) 1008.02,850.57 1028.05,870.6 1029.75,872.3 ccw(c1025.79,876.26) 1029.75,880.22 1023.59,886.37 cw(c1027.55,890.33) 1023.59,894.29 1026.98,897.69 cw(c1030.94,893.73) 1034.9,897.69 1045.02,887.57 ccw(c1048.53,891.08) 1052.04,887.57 1056.33,891.86 ccw(c1052.82,895.37) 1056.33,898.88 1046.22,909 cw(c1050.18,912.96) 1046.22,916.92 1049.61,920.32 cw(c1053.57,916.36) 1057.53,920.32 1067.65,910.2 1070.69,907.15 ccw(c1074.65,911.11) 1078.61,907.15 1082,910.55 ccw(c1078.04,914.51) 1082,918.47 ; 1082.34,918.13 1082.59,917.89 ; 1082.92,917.55 cw(c1086.88,921.51) 1082.92,925.47 1083.62,926.17 cw(c1104.57,905.23) 1104.57,934.85 1109.9,934.85 1112.3,934.85 ccw(c1112.3,940.45) 1117.9,940.45 1117.9,946.86 cw(c1123.5,946.86) 1123.5,952.46 1128.3,952.46 cw(c1128.3,946.86) 1133.9,946.86 1133.9,940.45 ccw(c1139.5,940.45) 1139.5,934.85 1144.3,934.85 ccw(c1144.3,940.45) 1149.9,940.45 1149.9,946.86 cw(c1155.5,946.86) 1155.5,952.46 1160.3,952.46 cw(c1160.3,946.86) 1165.9,946.86 1165.9,940.45 ccw(c1171.5,940.45) 1171.5,934.85 1176.3,934.85 ccw(c1176.3,940.45) 1181.9,940.45 1181.9,946.86 cw(c1187.5,946.86) 1187.5,952.46 1192.3,952.46 cw(c1192.3,946.86) 1197.9,946.86 1197.9,940.45 ccw(c1203.5,940.45) 1203.5,934.85 1208.3,934.85 ccw(c1208.3,940.45) 1213.9,940.45 1213.9,946.86 cw(c1219.5,946.86) 1219.5,952.46 1224.3,952.46 cw(c1224.3,946.86) 1229.9,946.86 1229.9,940.45 ccw(c1235.5,940.45) 1235.5,934.85 1240.3,934.85 ccw(c1240.3,940.45) 1245.9,940.45 1245.9,946.86 cw(c1251.5,946.86) 1251.5,952.46 1256.3,952.46 cw(c1256.3,946.86) 1261.9,946.86 1261.9,940.45 ccw(c1267.5,940.45) 1267.5,934.85 1272.3,934.85 ccw(c1272.3,940.45) 1277.9,940.45 1277.9,946.86 cw(c1283.5,946.86) 1283.5,952.46 1288.3,952.46 cw(c1288.3,946.86) 1293.9,946.86 1293.9,940.45 ccw(c1299.5,940.45) 1299.5,934.85 1304.3,934.85 ccw(c1304.3,940.45) 1309.9,940.45 1309.9,946.86 cw(c1315.5,946.86) 1315.5,952.46 1320.3,952.46 cw(c1320.3,946.86) 1325.9,946.86 1325.9,940.45 ccw(c1331.5,940.45) 1331.5,934.85 1336.3,934.85 ccw(c1336.3,940.45) 1341.9,940.45 1341.9,946.86 cw(c1347.5,946.86) 1347.5,952.46 1352.3,952.46 cw(c1352.3,946.86) 1357.9,946.86 1357.9,940.45 ccw(c1363.5,940.45) 1363.5,934.85 1369.6,934.85 1398.98,934.85 cw(c1398.98,834.85) 1469.69,905.56 1489.4,885.85 ccw(c1543,939.46) v5(1543,863.65)
PSRAM_D6: U1.J7 U8.F6 | length 978.8
  L1_Top Layer w8: v4(969.9,802.15) 970.89,802.15 cw(c970.89,773.5) U8.F6@991.14,793.76 U8.F6@991.69,793.76 ; U1.J7@1559.4,816.73 1575.68,800.45 v4(1576.5,800.45)
  L3_Signa1 w6: v4(969.9,802.15) ccw(c969.9,790.25) 958,790.25 958,762.49 ccw(c1020.14,762.49) 976.2,718.55 ; 976.9,718.15 cw(c939.72,680.97) 992.3,680.97 992.3,647.75 ccw(c1002.1,647.75) 1002.1,637.95 1005,637.95 1007.4,637.95 ccw(c1007.4,643.55) 1013,643.55 1013,650.5 cw(c1018.6,650.5) 1018.6,656.1 1023.4,656.1 cw(c1023.4,650.5) 1029,650.5 1029,643.55 ccw(c1034.6,643.55) 1034.6,637.95 1051.5,637.95 1070.9,637.95 ccw(c1070.9,645.65) 1078.6,645.65 cw(c1109.2,645.65) 1109.2,676.25 1188.3,676.25 ccw(c1188.3,682.45) 1194.5,682.45 cw(c1200.9,682.45) 1200.9,688.85 1297.4,688.85 ccw(c1297.4,704.54) 1308.5,693.45 1312.4,697.35 ccw(c1305.4,704.35) 1315.3,704.35 cw(c1322.8,704.35) 1322.8,711.85 1335.9,711.85 cw(c1335.9,702.95) 1344.8,702.95 ccw(c1356.5,702.95) 1356.5,691.25 1445.09,691.25 ccw(c1445.09,706.96) 1456.2,695.85 1458.26,697.9 ccw(c1445.11,711.05) 1463.7,711.05 cw(c1475.9,711.05) 1475.9,723.25 1481.7,723.25 ccw(c1481.7,740.05) 1498.5,740.05 cw(c1511.8,740.05) 1511.8,753.35 1575.8,753.35 ccw(c1575.8,766.75) 1589.2,766.75 1589.2,774.43 ccw(c1561.09,774.43) 1580.97,794.31 v4@1576.5,798.77
PSRAM_D7: U1.L8 U8.G6 | length 983.4
  L1_Top Layer w8: U8.G6@992.48,824.62 U8.G6@991.14,823.29 cw(c991.14,839.53) 974.9,839.53 974.9,980.35 974.9,992.3 cw(c981.2,992.3) 981.2,998.6 988.25,998.6 ccw(c988.25,1004.9) 994.55,1004.9 994.55,1010.3 ccw(c988.25,1010.3) 988.25,1016.6 981.2,1016.6 cw(c981.2,1022.9) 974.9,1022.9 974.9,1025.6 974.9,1044.85 cw(c991.8,1044.85) 991.8,1061.75 v4(1496.8,1061.75) ; v4(1496.6,976.65) 1496.6,974.26 ccw(c1533.56,974.26) 1507.42,948.13 cw(c1498.55,939.25) 1511.1,939.25 1511.1,920.28 ccw(c1568.46,920.28) U1.L8@1527.9,879.73
  L3_Signa1 w6: v4(1496.6,976.65) 1496.6,1061.75 v4(1496.8,1061.75)
PSRAM_D8: U1.H7 U8.B1 | length 995.1
  L1_Top Layer w8: U8.B1@1138.78,675.65 1174.5,675.65 1177.2,675.65 ccw(c1177.2,681.95) 1183.5,681.95 1183.5,687.88 cw(c1189.8,687.88) 1189.8,694.18 1195.2,694.18 cw(c1195.2,687.88) 1201.5,687.88 1201.5,681.95 ccw(c1207.8,681.95) 1207.8,675.65 1213.2,675.65 ccw(c1213.2,681.95) 1219.5,681.95 1219.5,729.05 cw(c1225.8,729.05) 1225.8,735.35 1231.2,735.35 cw(c1231.2,729.05) 1237.5,729.05 1237.5,681.95 ccw(c1243.8,681.95) 1243.8,675.65 1249.2,675.65 ccw(c1249.2,681.95) 1255.5,681.95 1255.5,729.05 cw(c1261.8,729.05) 1261.8,735.35 1267.2,735.35 cw(c1267.2,729.05) 1273.5,729.05 1273.5,681.95 ccw(c1279.8,681.95) 1279.8,675.65 1283.3,675.65 1290.6,675.65 ccw(c1290.6,686.25) 1301.2,686.25 ; 1301.2,689.95 1301.2,686.25 ; v4@1302,762.55 v4(1305.4,762.55) ccw(c1305.4,758.35) 1301.2,758.35 1301.2,686.25 ; v4(1543.8,769.45) ccw(c1543.8,771.68) v4@1545.37,770.1 ; v4@1545.38,770.1 1560.51,785.24 U1.H7@1559.4,785.24 U1.H7@1559.4,784.95
  L3_Signa1 w6: v4@1307.9,765.05 ccw(c1307.9,762.55) v4(1305.4,762.55) 1305.4,780.25 cw(c1311.7,780.25) 1311.7,786.55 1316.4,786.55 cw(c1316.4,781.95) 1321,781.95 1321,770.95 ccw(c1325.9,770.95) 1325.9,766.05 1326.2,766.05 1334.2,766.05 1344.6,766.05 cw(c1344.6,760.45) 1350.2,760.45 1350.2,735.45 ccw(c1355.8,735.45) 1355.8,729.85 1360.6,729.85 ccw(c1360.6,735.45) 1366.2,735.45 1366.2,760.45 cw(c1371.8,760.45) 1371.8,766.05 1381.5,766.05 1382.3,766.05 ccw(c1382.3,772.85) 1389.1,772.85 cw(c1395.3,772.85) 1395.3,779.05 1396.2,779.05 cw(c1396.2,773.65) 1401.6,773.65 1401.6,755.81 ccw(c1407.2,755.81) 1407.2,750.21 1412,750.21 ccw(c1412,755.81) 1417.6,755.81 1417.6,773.45 cw(c1423.2,773.45) 1423.2,779.05 1428,779.05 cw(c1428,773.45) 1433.6,773.45 1433.6,757.07 ccw(c1439.2,757.07) 1439.2,751.47 1444,751.47 ccw(c1444,757.07) 1449.6,757.07 1449.6,773.45 cw(c1455.2,773.45) 1455.2,779.05 1457.6,779.05 1460,779.05 cw(c1460,771.95) 1467.1,771.95 1467.1,759.85 ccw(c1473.5,759.85) 1473.5,753.45 1487.1,753.45 ccw(c1487.1,761.55) 1493.37,756.42 ccw(c1487.1,761.55) 1495.2,761.55 cw(c1503.1,761.55) 1503.1,769.45 v4(1543.8,769.45)
PSRAM_D9: U1.M9 U8.C1 | length 985.8
  L1_Top Layer w8: U8.C1@1139.96,706.35 ccw(c1139.96,705.18) U8.C1@1138.78,705.18 1190.73,705.18 ccw(c1190.73,719.85) 1205.4,719.85 v3(1205.4,758.35) cw(c1205.4,757.45) v3@1206.3,757.45 ; v4(1496.1,933.85) 1496.4,933.55 U1.M9@1496.4,911.22
  L3_Signa1 w6: v3(1205.4,758.35) 1205.7,758.35 1205.7,783.85 ccw(c1192.8,783.85) 1192.8,796.75 1167,796.75 cw(c1167,809.85) 1153.9,809.85 1153.9,848.05 cw(c1183.1,848.05) 1183.1,877.25 1295.8,877.25 ccw(c1295.8,888.85) 1307.4,888.85 1307.4,892.45 cw(c1318.4,892.45) 1318.4,903.45 1328.8,903.45 cw(c1328.8,891.95) 1340.3,891.95 1340.3,867.85 ccw(c1351.8,867.85) 1351.8,856.35 1352.7,856.35 1355.1,856.35 ccw(c1355.1,861.95) 1360.7,861.95 1360.7,868.37 cw(c1366.3,868.37) 1366.3,873.96 1371.1,873.96 cw(c1371.1,868.37) 1376.7,868.37 1376.7,861.95 ccw(c1382.3,861.95) 1382.3,856.35 1387.1,856.35 ccw(c1387.1,861.95) 1392.7,861.95 1392.7,868.16 cw(c1398.3,868.16) 1398.3,873.76 1403.1,873.76 cw(c1403.1,868.16) 1408.7,868.16 1408.7,861.95 ccw(c1414.3,861.95) 1414.3,856.35 1419.1,856.35 ccw(c1419.1,861.95) 1424.7,861.95 1424.7,868.16 cw(c1430.3,868.16) 1430.3,873.76 1435.1,873.76 cw(c1435.1,868.16) 1440.7,868.16 1440.7,861.95 ccw(c1446.3,861.95) 1446.3,856.35 1451.1,856.35 ccw(c1451.1,861.95) 1456.7,861.95 1456.7,868.16 cw(c1462.3,868.16) 1462.3,873.76 1467.1,873.76 cw(c1467.1,868.16) 1472.7,868.16 1472.7,861.95 ccw(c1478.3,861.95) 1478.3,856.35 1486.3,856.35 1490.8,856.35 cw(c1490.8,844.28) 1499.34,852.81 ccw(c1511.08,864.56) 1511.08,847.95 1543.6,847.95 ccw(c1543.6,862.85) 1558.5,862.85 1558.5,903.85 ccw(c1545,903.85) 1545,917.35 1528.3,917.35 cw(c1528.3,934.25) 1511.4,934.25 ccw(c1504.7,934.25) 1504.7,940.95 1503.2,940.95 ccw(c1503.2,933.85) v4(1496.1,933.85)
PSRAM_D10: U1.J8 U8.C2 | length 970.1
  L1_Top Layer w6: U1.J8@1527.9,816.73 U1.J8@1528.18,816.73
  L1_Top Layer w8: U8.C2@1109.26,705.18 1123.8,690.63 v5(1123.8,690.45) ; U1.J8@1527.9,816.73 cw(c1544.02,816.73) 1544.02,832.85 v5(1575.3,832.85)
  L4_PWR/Signal2 w6: v5@1123.8,690.95 v5(1123.8,690.45) 1168.1,690.45 cw(c1168.1,681.55) 1177,681.55 1177,672.55 ccw(c1195.1,672.55) 1195.1,654.45 cw(c1195.1,645.95) 1203.6,645.95 1203.6,603.05 ccw(c1209.7,603.05) 1209.7,596.95 1522.7,596.95 1525.1,596.95 ccw(c1525.1,602.55) 1530.7,602.55 1530.7,606.89 cw(c1536.3,606.89) 1536.3,612.49 1541.1,612.49 cw(c1541.1,606.89) 1546.7,606.89 1546.7,602.55 ccw(c1552.3,602.55) 1552.3,596.95 1553.4,596.95 1608.4,596.95 ccw(c1608.4,610.35) 1621.8,610.35 1621.8,840.65 ccw(c1614.9,840.65) 1614.9,847.55 1600.8,847.55 ccw(c1600.8,839.85) 1593.1,839.85 cw(c1586.1,839.85) 1586.1,832.85 v5(1575.3,832.85) v5@1575.3,832.95
PSRAM_D11: U1.M10 U8.D2 | length 983
  L1_Top Layer w8: U8.D2@1109.26,734.7 1109.26,735.4 v4(1123.7,749.85) ; U1.M10@1464.91,911.22 1464.91,934.25 1465.3,934.25 1465.4,934.35 1465.2,934.55 v4(1465.2,937.15)
  L3_Signa1 w6: v4@1123.7,750.54 ccw(c1102.19,750.54) 1117.4,765.75 cw(c1134.78,783.13) 1110.2,783.13 1110.2,802.55 1110.2,810.55 1110.2,820.95 cw(c1115.8,820.95) 1115.8,826.55 1128.8,826.55 ccw(c1128.8,832.15) 1134.4,832.15 1134.4,836.95 ccw(c1128.8,836.95) 1128.8,842.55 1115.8,842.55 cw(c1115.8,848.15) 1110.2,848.15 1110.2,852.95 cw(c1115.8,852.95) 1115.8,858.55 1132.06,858.55 ccw(c1132.06,864.15) 1137.66,864.15 1137.66,868.95 ccw(c1132.06,868.95) 1132.06,874.55 1115.8,874.55 cw(c1115.8,880.15) 1110.2,880.15 1110.2,884.95 cw(c1115.8,884.95) 1115.8,890.55 1154.9,890.55 ccw(c1154.9,896.15) 1160.5,896.15 1160.5,900.95 ccw(c1154.9,900.95) 1154.9,906.55 1115.8,906.55 cw(c1115.8,912.15) 1110.2,912.15 1110.2,921.45 cw(c1131.9,921.45) 1131.9,943.15 1141,943.15 1149,943.15 1159.4,943.15 cw(c1159.4,937.55) 1165,937.55 1165,920.72 ccw(c1170.6,920.72) 1170.6,915.12 1175.4,915.12 ccw(c1175.4,920.72) 1181,920.72 1181,937.55 cw(c1186.6,937.55) 1186.6,943.15 1191.4,943.15 cw(c1191.4,937.55) 1197,937.55 1197,931.51 ccw(c1202.6,931.51) 1202.6,925.91 1207.4,925.91 ccw(c1207.4,931.51) 1213,931.51 1213,937.55 cw(c1218.6,937.55) 1218.6,943.15 1223.4,943.15 cw(c1223.4,937.55) 1229,937.55 1229,931.51 ccw(c1234.6,931.51) 1234.6,925.91 1239.4,925.91 ccw(c1239.4,931.51) 1245,931.51 1245,937.55 cw(c1250.6,937.55) 1250.6,943.15 1255.4,943.15 cw(c1255.4,937.55) 1261,937.55 1261,931.51 ccw(c1266.6,931.51) 1266.6,925.91 1271.4,925.91 ccw(c1271.4,931.51) 1277,931.51 1277,937.55 cw(c1282.6,937.55) 1282.6,943.15 1287.4,943.15 cw(c1287.4,937.55) 1293,937.55 1293,928.93 ccw(c1298.6,928.93) 1298.6,923.33 1303.4,923.33 ccw(c1303.4,928.93) 1309,928.93 1309,937.55 cw(c1314.6,937.55) 1314.6,943.15 1319.4,943.15 cw(c1319.4,937.55) 1325,937.55 1325,929.72 ccw(c1330.6,929.72) 1330.6,924.12 1335.4,924.12 ccw(c1335.4,929.72) 1341,929.72 1341,937.55 cw(c1346.6,937.55) 1346.6,943.15 1351.4,943.15 cw(c1351.4,937.55) 1357,937.55 1357,926.51 ccw(c1362.6,926.51) 1362.6,920.91 1367.4,920.91 ccw(c1367.4,926.51) 1373,926.51 1373,937.55 cw(c1378.6,937.55) 1378.6,943.15 1389,943.15 1442.5,943.15 1459.2,943.15 cw(c1459.2,937.15) v4(1465.2,937.15)
  L3_Signa1 w8: v4(1123.7,749.85) v4@1123.7,750.54
PSRAM_D12: U1.K8 U8.E2 | length 984.6
  L1_Top Layer w6: U1.K8@1527.82,848.23 U1.K8@1527.9,848.23
  L1_Top Layer w8: U8.E2@1109.26,764.23 1125.2,780.18 v4(1125.2,781.05) ; v4(1512.3,863.75) U1.K8@1527.82,848.23
  L3_Signa1 w6: v4@1124.1,778.35 ccw(c1077.51,824.94) 1143.4,824.94 1143.4,845.15 cw(c1185.8,845.15) 1185.8,887.55 1186.5,887.55 1188.9,887.55 ccw(c1188.9,893.15) 1194.5,893.15 1194.5,910.81 cw(c1200.1,910.81) 1200.1,916.41 1204.9,916.41 cw(c1204.9,910.81) 1210.5,910.81 1210.5,893.15 ccw(c1216.1,893.15) 1216.1,887.55 1220.9,887.55 ccw(c1220.9,893.15) 1226.5,893.15 1226.5,910.81 cw(c1232.1,910.81) 1232.1,916.41 1236.9,916.41 cw(c1236.9,910.81) 1242.5,910.81 1242.5,893.15 ccw(c1248.1,893.15) 1248.1,887.55 1252.9,887.55 ccw(c1252.9,893.15) 1258.5,893.15 1258.5,910.81 cw(c1264.1,910.81) 1264.1,916.41 1268.9,916.41 cw(c1268.9,910.81) 1274.5,910.81 1274.5,893.05 ccw(c1280,893.05) 1280,887.55 1283.2,887.55 ccw(c1283.2,900.75) 1296.4,900.75 cw(c1310,900.75) 1310,914.35 1337.1,914.35 cw(c1337.1,902.05) 1349.4,902.05 ccw(c1357.8,902.05) 1357.8,893.65 1358.9,893.65 1364.1,893.65 ccw(c1364.1,899.25) 1369.7,899.25 1369.7,907.15 cw(c1375.3,907.15) 1375.3,912.75 1380.1,912.75 cw(c1380.1,907.15) 1385.7,907.15 1385.7,893.65 1385.7,889.06 ccw(c1391.3,889.06) 1391.3,883.46 1396.1,883.46 ccw(c1396.1,889.06) 1401.7,889.06 1401.7,893.65 1401.7,915.43 cw(c1407.3,915.43) 1407.3,921.03 1412.1,921.03 cw(c1412.1,915.43) 1417.7,915.43 1417.7,893.65 1417.7,889.06 ccw(c1423.3,889.06) 1423.3,883.46 1428.1,883.46 ccw(c1428.1,889.06) 1433.7,889.06 1433.7,893.65 1433.7,915.43 cw(c1439.3,915.43) 1439.3,921.03 1444.1,921.03 cw(c1444.1,915.43) 1449.7,915.43 1449.7,893.65 1449.7,889.06 ccw(c1455.3,889.06) 1455.3,883.46 1460.1,883.46 ccw(c1460.1,889.06) 1465.7,889.06 1465.7,893.65 1465.7,915.43 cw(c1471.3,915.43) 1471.3,921.03 1476.1,921.03 cw(c1476.1,915.43) 1481.7,915.43 1481.7,893.65 1481.7,871.77 ccw(c1487.3,871.77) 1487.3,866.17 1492.1,866.17 ccw(c1492.1,871.77) 1497.7,871.77 1497.7,888.05 cw(c1503.3,888.05) 1503.3,893.65 1505.7,893.65 cw(c1505.7,886.85) 1512.5,886.85 1512.5,863.75 v4(1512.3,863.75)